# Altium PCB PCB2.PcbDoc (continued)
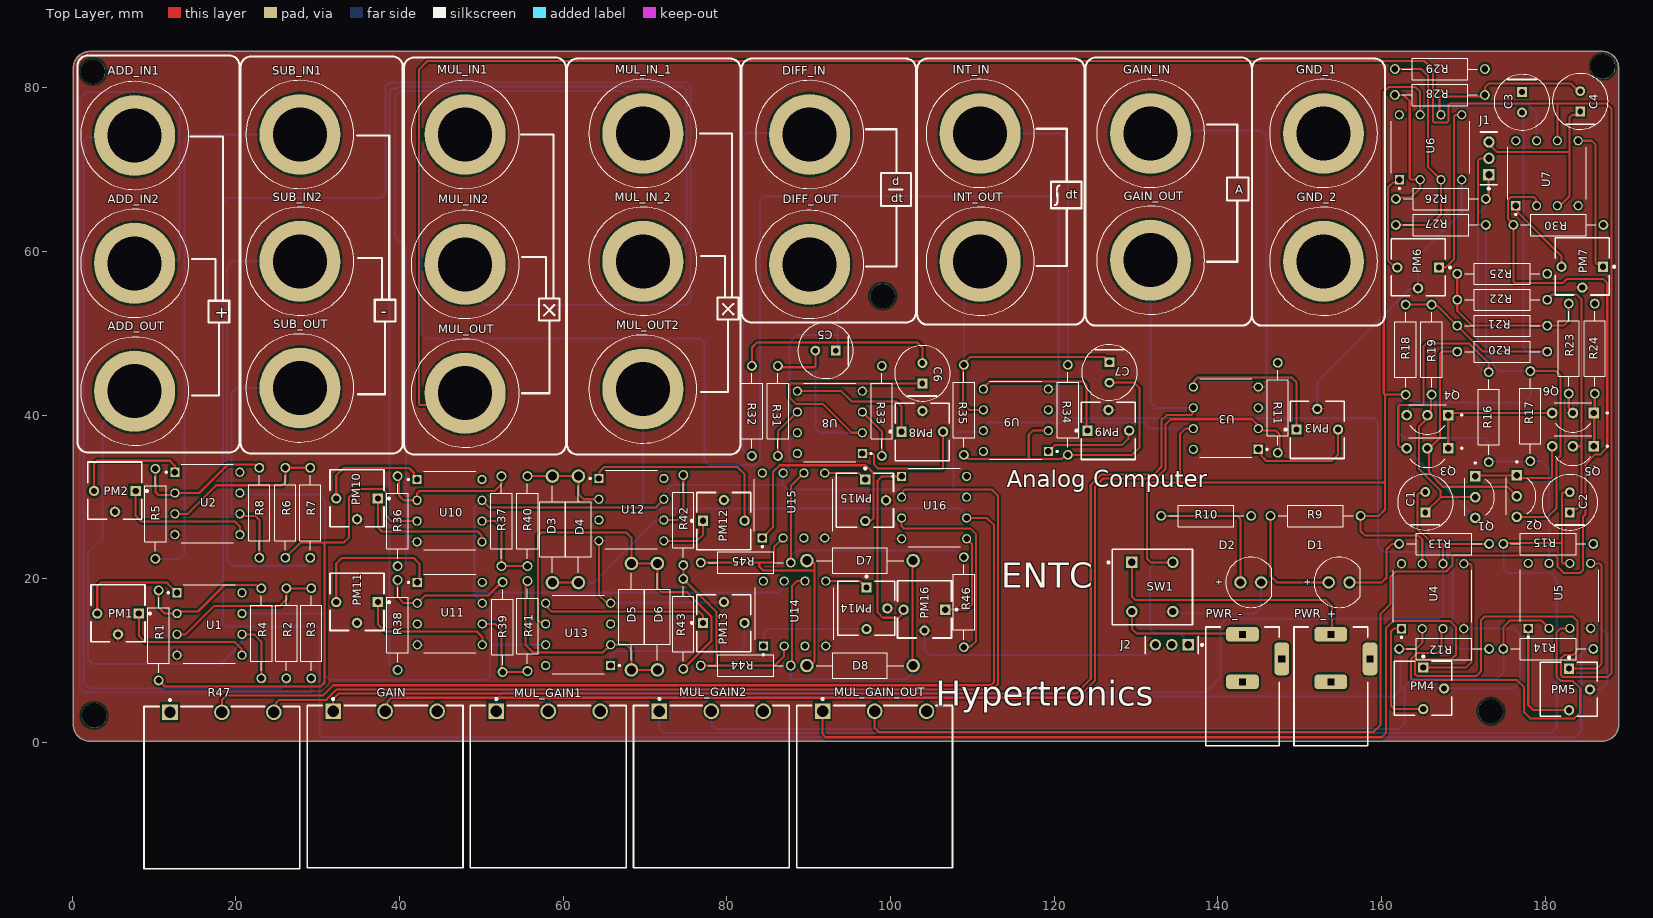
[diagram p0: Top Layer view]
## Part data (continued)
SW1: library part CMP-10035-000009-1, "SWITCH PUSH DPST 0.1A 32V", Current Rating=100mA, Max Operating Temperature=85°C, Min Operating Temperature=-40°C, Voltage Rating (DC)=32V, Electrical Life=100000Cycles, Mount="Through Hole", Packaging=Bulk, RoHS Compliant=Yes, Series=PVA, Switch Function=Off-On, Termination="PC Pin", Throw Configuration=DPST
U1 U2 U3 U4 U5 U6 U7 U8 U9 U10 U11 U12 U13 U14 U15 U16: "Single, 44-V, 1-MHz operational amplifier", Package="PDIP-8 Texas", Check_prices=https://www.snapeda.com/parts/LM741CN/NOPB/Texas+Instruments/view-part/?ref=eda, MF="Texas Instruments", MP=LM741CN/NOPB, SnapEDA_Link=https://www.snapeda.com/parts/LM741CN/NOPB/Texas+Instruments/view-part/?ref=snap

## Free pads (board coordinates)
  round 3 hole 3 unplated: 4(2.522,81.975) 4(2.667,3.302) 4(99.042,54.543) 4(173.355,3.81) 4(187.053,82.61)

## Nets (pads, with @x,y where several pads share a name; then routed paths per layer and width w, separated by ;. In a path a pad name is that pad's centre, name@x,y a point inside that pad or via, vN(x,y) a via of type N, cw(c..) or ccw(c..) an arc to the next point about the centre after c; other vN are vias at no path point)
+12: J2.1 R9.1 R16.2 R17.2 R18.2 SW1.2 U1.7 U2.7 U3.7 U4.7 U5.7 U6.7 U7.7 U8.7 U9.7 U10.7 U11.7 U12.7 U13.7 U14.7 U15.7 U16.7 | length 437.7
  Top Layer w0.254: U10.7 50.96,28.702 71.28,28.702 U12.7 ; SW1.2 131.795,22.002 131.318,22.479 131.318,31.75 135.382,31.75 ; U3.7 136.017,38.354 135.382,37.719 135.382,31.75 ; R18.2 160.419,42.506 ; U6.7 164.719,79.502 164.119,80.102 162.038,80.102 160.892,80.102 160.27,79.48 160.27,42.655 160.419,42.506 ; U4.7 164.973,24.809 164.509,25.273 157.988,25.273 157.431,25.83 R9.1 159.639,27.686 160.419,28.466 160.419,31.75 ; 135.382,31.75 160.419,31.75 ; 160.419,31.75 160.419,42.506
  Bottom Layer w0.254: U2.7 20.648,30.312 21.063,30.312 21.067,30.309 30.27,30.309 30.905,29.674 30.905,15.748 ; U1.7 30.905,15.748 ; U10.7 49.309,28.829 49.274,28.829 49.125,28.68 49.125,18.288 ; U11.7 49.342,17.78 49.274,17.78 49.125,17.929 49.125,18.288 ; U11.7@50.171,16.951 51.05,16.072 51.05,11.938 ; U13.7 51.05,11.938 ; U12.7 72.298,29.72 72.298,30.515 73.232,31.449 86.844,31.449 ; U14.7 86.914,19.637 86.914,18.969 86.233,18.288 49.125,18.288 ; 87.249,31.067 87.398,30.918 107.684,30.918 ; 87.249,31.068 86.868,31.449 U15.7 87.667,33.725 87.667,36.9 U8.7 ; U16.7 109.286,30.033 108.401,30.918 107.684,30.918 ; SW1.2 132.365,22.002 131.69,21.327 131.69,13.852 132.199,13.343 135.374,13.343 135.862,12.855 135.862,12.442 J2.1 ; U3.7 131.703,38.354 130.951,39.106 112.004,39.106 111.514,38.616 111.514,38.268 111.207,37.961 108.327,37.961 107.684,37.319 107.684,30.918 ; R18.2 162.941,42.297 162.038,41.394 162.038,37.86 162.687,37.211 172.466,37.211 173.101,36.576 R16.2 ; U6.7 164.88,76.869 164.88,77.377 165.466,77.963 177.987,77.963 178.943,77.007 U7.7 ; R16.2@173.267,34.251 173.355,34.163 173.507,34.315 178.118,34.315 R17.2 179.617,34.378 180.467,33.528 U5.7 ; 30.905,15.748 30.905,8.211 31.496,7.62 50.546,7.62 51.05,8.124 51.05,11.938
-12: D2.2 J2.3 PM1.2 PM2.2 PM3.2 PM4.2 PM5.2 PM6.2 PM7.2 PM8.2 PM9.2 PM10.2 PM11.2 PM12.2 PM13.2 PM14.2 PM15.2 PM16.2 SW1.2' U1.4 U2.4 U3.4 U4.4 U5.4 U6.4 U7.4 U8.4 U9.4 U10.4 U11.4 U12.4 U13.4 U14.4 U15.4 U16.4 | length 137.6
  Top Layer w0.254: PM1.2@5.334,13.208 PM1.2 ; U12.4 64.356,18.001 65.171,17.186 65.618,17.186 U13.4
  Bottom Layer w0.254: U13.4 65.849,17.081 79.566,17.081 PM13.2 ; PM16.2 104.14,11.303 104.779,10.664 131.441,10.664 132.034,11.257 132.034,11.298 132.366,11.631 J2.3 ; SW1.2' 134.712,15.783 135.18,15.783 135.215,15.748 144.526,15.748 145.288,16.51 D2.2 ; PM3.2 152.146,44.098 163.459,55.411 164.377,55.411 PM6.2 164.465,59.483 169.799,64.817 U6.4 ; PM4.2 176.149,6.604 176.911,7.366 176.911,13.208 176.215,13.904 U4.4 ; PM5.2 186.69,6.477 187.579,7.366 187.579,13.209 186.851,13.937 U5.4
GND: C3.1 D1.2 GND_1.1 GND_2.1 J2.2 PWR_+.2 PWR_+.3 PWR_-.2 PWR_-.3 R1.1 R6.1 R10.1 R11.1 R13.1 R15.1 R24.1 R25.1 R29.1 R30.1 R33.1 U4.3 U5.3 U9.3 U10.3 U11.3 U12.3 U13.3 U14.3 U15.3 | length 121.4
  Top Layer w0.254: R1.1 11.268,6.854 30.349,6.854 30.817,7.322 30.817,24.28 30.668,24.428 ; R6.1 27.896,24.428 30.668,24.428 ; U10.3 38.989,27.051 38.344,27.696 38.344,30.593 37.949,30.988 34.798,30.988 33.792,29.982 33.792,25.029 33.191,24.428 30.668,24.428 ; D1.2 160.021,19.558 160.603,20.14 160.603,23.57 161.29,24.257 R13.1 ; U4.3 167.345,13.736 167.345,11.389 166.878,10.922 164.371,10.922 163.586,10.137 163.586,7.764 163.735,7.615 176.535,7.615 177.419,6.731 177.419,3.683 178.171,2.931 183.563,2.931 184.277,3.645 184.277,6.604 183.378,7.503 181.922,7.503 181.401,8.024 181.401,13.451 181.887,13.937 U5.3
NetC1_1: C1.1 Q1.2 Q4.2 R19.1 | length 21.1
  Top Layer w0.254: C1.1 167.219,29.972 ; R19.1 166.018,42.408 166.018,40.676 165.608,40.265 165.608,39.722 165.324,39.439 165.324,39.34 164.592,38.608 164.592,36.11 ccw(c165.608,35.941) 164.592,35.772 164.592,33.401 167.219,30.774 167.219,29.972 ; Q1.2 167.219,29.972
NetC1_2: C1.2 MUL_GAIN1.1 R13.2 U4.6 | length 148.7
  Top Layer w0.254: C1.2 165.232,30.485 164.597,30.485 164.373,30.261 164.373,26.127 166.243,24.257 167.513,24.257 ; U4.6 167.513,24.257 ; R13.2 167.513,24.257
  Bottom Layer w0.254: MUL_GAIN1.1 51.816,5.31 52.602,6.096 138.43,6.096 139.827,7.493 140.335,8.001 140.335,14.478 140.97,15.113 167.005,15.113 167.513,15.621 U4.6
NetC2_1: C2.1 Q5.2 R22.1 | length 32.6
  Top Layer w0.254: R22.1 180.252,54.174 180.805,54.726 183.846,54.726 184.114,54.458 184.12,54.458 184.418,54.16 184.418,40.284 cw(c183.388,40.259) 184.418,40.259 184.418,36.195 ; C2.1 183.422,28.502 183.823,28.502 184.418,29.097 184.418,36.195 ; Q5.2 184.418,36.195
NetC2_2: C2.2 MUL_GAIN2.1 R15.2 U5.6 | length 158.2
  Top Layer w0.254: R15.2 175.006,24.384 182.026,24.384 ; U5.6 182.175,21.877 182.026,22.026 182.026,24.384 ; C2.2 182.958,30.538 182.176,30.538 182.026,30.388 182.026,24.384
  Bottom Layer w0.254: MUL_GAIN2.1 71.755,1.651 72.263,1.143 180.699,1.143 181.413,1.857 181.413,19.987 180.699,20.701 175.387,20.701 174.879,21.209 R15.2
NetC3_2: C3.2 R18.1 R19.2 R20.2 R21.2 | length 51.9
  Top Layer w0.254: R18.1 R19.2 166.277,53.345 166.834,53.345 R21.2 172.427,47.752 R20.2
  Bottom Layer w0.254: C3.2 177.346,76.801 177.346,76.363 177.349,76.36 177.349,48.203 178.077,47.475 179.719,47.475 179.996,47.752 R20.2
NetC4_2: C4.2 R28.2 U6.6 | length 21
  Top Layer w0.254: U6.6 167.091,76.876 167.091,77.267 167.063,77.295 167.063,78.777 167.212,78.925 172.18,78.925 172.376,79.121 R28.2 172.632,80.049 173.101,80.518 183.134,80.518 184.063,79.589 C4.2
NetC5_2: C5.2 C6.1 R31.1 U8.2 | length 50.6
  Top Layer w0.254: R31.1 86.399,45.847 90.656,45.847 90.805,45.996 C5.2 ; U8.2 95.25,37.846 91.764,41.332 88.462,41.332 87.667,42.127 87.667,43.723 87.816,43.872 99.779,43.872 99.796,43.855 C6.1
  Bottom Layer w0.254: C5.2 90.805,38.354 91.313,37.846 U8.2
NetC6_2: C6.2 R32.2 | length 25.5
  Top Layer w0.254: R32.2 83.058,48.26 83.658,48.86 103.286,48.86 103.886,48.26 C6.2
NetC7_2: C7.2 R34.2 R35.1 U9.2 | length 39
  Top Layer w0.254: R35.1 109.062,35.14 109.588,34.614 116.88,34.614 120.884,34.614 121.41,35.14 121.581,35.15 129.518,35.15 129.667,35.299 129.667,35.306 130.432,36.071 130.432,43.304 129.774,43.962 C7.2 ; 116.88,34.711 116.88,37.6 117.38,38.1 U9.2
NetD1_1: D1.1 R9.2 | length 14.8
  Top Layer w0.254: R9.2 146.431,20.32 147.193,19.558 D1.1
NetD2_1: D2.1 R10.2 | length 17.6
  Top Layer w0.254: R10.2 142.367,27.686 142.748,27.305 D2.1
NetD3_1: D3.1 D4.2 R42.1 U12.6 | length 24.2
  Top Layer w0.254: D3.1 D4.2 ; U12.6 73.914,27.178 74.676,27.94 R42.1
  Bottom Layer w0.254: D4.2 63.731,19.535 71.374,27.178 U12.6
NetD3_2: D3.2 D4.1 R40.2 U12.2 | length 11.2
  Top Layer w0.254: R40.2 55.634,32.543 58.674,32.543 61.841,32.543 D4.1 61.849,30.353 62.484,29.718 U12.2
NetD5_1: D5.1 D6.2 R43.1 U13.6 | length 48.5
  Top Layer w0.254: U13.6 57.678,14.646 57.236,14.646 56.9,14.982 56.9,25.277 57.277,25.654 67.691,25.654 68.326,25.019 D5.1 D6.2 71.501,18.923 72.05,18.374 75.109,18.374 78.095,15.388 78.095,12.397 R43.1
NetD5_2: D5.2 D6.1 R41.2 U13.2 | length 27.5
  Top Layer w0.254: R41.2 55.445,19.543 55.445,19.175 55.372,19.102 55.372,11.938 56.318,10.992 64.84,10.992 U13.2 67.691,11.938 68.326,11.303 D5.2 D6.1
NetD7_1: D7.1 D8.2 R45.1 U15.2 | length 35.4
  Top Layer w0.254: R45.1 83.947,21.971 ; U15.2 85.895,24.013 85.876,24.013 85.728,23.864 85.728,21.971 83.947,21.971 ; D8.2@89.662,9.398 89.929,9.665 90.466,9.665 90.678,9.877 90.678,20.989 ; 83.947,21.971 83.947,21.505 84.463,20.989 90.678,20.989 ; D7.1@89.718,22.019 D7.1@90.503,22.019 ; D7.1@89.718,22.019 89.512,22.225 D7.1@89.718,22.019 ; D7.1@89.718,22.019 D7.1@90.503,22.019 ; D7.1@90.503,22.019 90.678,21.844 90.678,20.989
NetD7_2: D7.2 D8.1 R44.2 U14.6 | length 42.2
  Top Layer w0.254: R44.2 87.941,9.543 87.941,19.107 88.552,19.718 U14.6 ; D7.2@102.512,22.225 102.662,22.075 D8.1@102.662,9.398
  Bottom Layer w0.254: R44.2 87.796,7.896 87.945,7.747 101.981,7.747 102.6,8.366 102.6,9.336 D8.1@102.662,9.398
NetGAIN_2: GAIN.2 R11.2 U3.2 | length 145
  Top Layer w0.254: GAIN.2 38.47,4.053 38.47,4.942 38.989,5.461 122.871,5.461 124.968,7.558 124.968,31.242 125.984,32.258 132.439,32.258 133.604,33.423 133.604,38.862 134.239,39.497 144.145,39.497 144.772,38.87 144.772,38.522 145.108,38.186 145.462,38.186 145.527,38.121 147.063,38.121 147.553,37.631 147.553,35.883 147.32,35.65 R11.2
NetMUL_GAIN1_2: MUL_GAIN1.2 R12.2 U4.2 | length 115.9
  Top Layer w0.254: R12.2 164.211,11.43 164.973,12.192 U4.2
  Bottom Layer w0.254: MUL_GAIN1.2 MUL_GAIN1.2@58.166,4.191 ; MUL_GAIN1.2@58.293,4.191 58.293,5.207 58.674,5.588 161.544,5.588 162.306,6.35 162.306,7.809 162.305,11.265 R12.2
NetMUL_GAIN2_2: MUL_GAIN2.2 R14.2 U5.2 | length 116.1
  Top Layer w0.254: R14.2 174.879,14.097 175.665,14.883 179.546,14.883 180.467,13.962 U5.2
  Bottom Layer w0.254: MUL_GAIN2.2 78.105,2.159 78.613,1.651 162.181,1.651 162.813,2.284 162.813,6.857 163.703,7.747 174.117,7.747 174.879,8.509 R14.2
NetMUL_GAIN_OUT_2: MUL_GAIN_OUT.2 R30.2 U7.2 | length 173.4
  Top Layer w0.254: MUL_GAIN_OUT.2 98.044,1.778 98.552,1.27 159.004,1.27 159.878,2.144 159.878,15.733 161.111,16.966 161.111,20.268 161.715,20.872 167.879,20.872 168.656,21.649 168.656,22.711 168.805,22.86 181.207,22.86 181.518,22.549 181.518,21.45 182.267,20.701 184.277,20.701 184.601,21.025 184.601,27.553 184.926,27.878 184.926,34.017 186.074,35.165 186.735,35.165 186.958,35.388 186.958,35.447 187.583,36.072 187.583,56.13 187.071,56.642 182.656,56.642 182.148,56.134 176.259,56.134 176.11,56.283 R30.2 176.11,63.327 175.457,63.98 175.457,66.311 175.821,66.675 178.562,66.675 178.881,66.356 178.881,65.65 U7.2
NetPM1_1: PM1.1 U1.5 | length 16.7
  Top Layer w0.254: PM1.1 8.128,13.048 8.914,12.262 19.869,12.262 20.684,11.447 20.684,10.718 U1.5
NetPM1_3: PM1.3 U1.1 | length 13.8
  Top Layer w0.254: PM1.3 3.048,19.05 3.56,19.562 11.535,19.562 11.684,19.413 11.684,19.398 U1.1
NetPM2_1: PM2.1 U2.5 | length 17.3
  Top Layer w0.254: PM2.1 7.747,27.686 8.439,26.994 19.869,26.994 20.32,26.543 20.331,26.543 20.48,26.394 U2.5
NetPM2_3: PM2.3 U2.1 | length 14.4
  Top Layer w0.254: PM2.3 2.667,34.036 3.052,34.421 11.934,34.421 12.538,33.817 12.538,33.022 U2.1
NetPM3_1: PM3.1 U3.5 | length 19.5
  Top Layer w0.254: U3.5 137.1,43.534 137.1,44.163 137.514,44.577 149.031,44.577 149.606,44.002 PM3.1
NetPM3_3: PM3.3 U3.1 | length 13.9
  Top Layer w0.254: U3.1 145.31,35.444 145.31,35.024 145.755,34.579 145.755,34.562 145.904,34.413 153.92,34.413 154.686,35.179 PM3.3
NetPM4_1: PM4.1 U4.5 | length 19
  Top Layer w0.254: PM4.1 170.307,9.144 170.999,9.836 170.999,21.66 170.849,21.81 170.087,21.81 U4.5
NetPM4_3: PM4.3 U4.1 | length 14.6
  Top Layer w0.254: U4.1 161.478,13.904 161.159,13.585 161.159,4.449 161.544,4.064 PM4.3
NetPM5_1: PM5.1 U5.5 | length 17.7
  Top Layer w0.254: PM5.1 186.309,9.017 186.86,9.568 186.86,21.674 186.657,21.877 U5.5
NetPM5_3: PM5.3 U5.1 | length 14.6
  Top Layer w0.254: U5.1 177.927,4.572 178.562,3.937 PM5.3
NetPM6_1: PM6.1 U6.5 | length 20.7
  Top Layer w0.254: PM6.1 167.037,58.071 167.862,58.071 168.853,59.062 168.853,76.509 169.011,76.667 169.758,76.667 U6.5
NetPM6_3: PM6.3 U6.1 | length 12.2
  Top Layer w0.254: PM6.3 161.671,58.039 160.778,58.932 160.778,67.814 161.382,68.418 161.829,68.418 U6.1
NetPM7_1: PM7.1 U7.5 | length 17.9
  Top Layer w0.254: U7.5 185.679,73.528 186.129,73.078 186.129,58.64 186.278,58.492 186.583,58.492 PM7.1@187.071,58.004
NetPM7_3: PM7.3 U7.1 | length 9.9
  Top Layer w0.254: U7.1 176.636,65.355 176.636,64.791 181.991,59.436 PM7.3@181.991,58.004
NetPM8_1: PM8.1 U8.5 | length 16.6
  Top Layer w0.254: U8.5 93.98,42.926 95.25,41.656 100.711,41.656 101.346,41.021 PM8.1
NetPM8_3: PM8.3 U8.1 | length 15.8
  Top Layer w0.254: U8.1 97.79,35.306 97.952,35.144 97.952,34.001 98.495,33.458 102.069,33.458 102.126,33.401 106.277,33.401 106.426,33.55 PM8.3
NetPM9_1: PM9.1 U9.5 | length 18.9
  Top Layer w0.254: U9.5 111.346,43.321 112.151,44.126 123.492,44.126 123.952,43.666 123.952,38.227 PM9.1
NetPM9_3: PM9.3 U9.1 | length 11.4
  Top Layer w0.254: U9.1 120.048,36.322 128.27,36.322 129.054,37.106 129.054,37.995 PM9.3
NetPM10_1: PM10.1 U10.5 | length 17.4
  Top Layer w0.254: PM10.1 37.338,26.289 37.846,25.781 49.53,25.781 50.021,25.29 50.021,24.561 U10.5
NetPM10_3: PM10.3 U10.1 | length 13.9
  Top Layer w0.254: PM10.3 32.258,32.639 33.151,33.532 41.144,33.532 41.758,32.918 41.758,32.504 U10.1
NetPM11_1: PM11.1 U11.5 | length 17
  Top Layer w0.254: PM11.1 37.338,14.478 38.284,13.532 49.46,13.532 50.104,12.888 U11.5
NetPM11_3: PM11.3 U11.1 | length 17.8
  Top Layer w0.254: PM11.3 32.258,21.844 32.946,22.532 41.73,22.532 42.418,21.844 42.418,19.812 U11.1
NetPM12_1: PM12.1 U12.5 | length 6.8
  Top Layer w0.254: U12.5 76.327,24.638 77.089,25.4 PM12.1
NetPM12_3: PM12.3 U12.1 | length 24.9
  Top Layer w0.254: U12.1 64.424,32.326 64.424,33.055 65.028,33.659 81.276,33.659 82.169,32.766 PM12.3
NetPM13_1: PM13.1 U13.5 | length 20.9
  Top Layer w0.254: U13.5 57.846,16.781 58.103,16.524 58.103,16.446 58.572,15.977 76.606,15.977 77.089,15.494 PM13.1
NetPM13_3: PM13.3 U13.1 | length 20.9
  Bottom Layer w0.254: U13.1 65.786,10.6 66.362,11.176 81.534,11.176 82.169,11.811 PM13.3
NetPM14_1: PM14.1 U14.5 | length 5.3
  Top Layer w0.254: U14.5 96.268,19.718 PM14.1
NetPM14_3: PM14.3 U14.1 | length 14.3
  Bottom Layer w0.254: U14.1 84.455,13.208 85.09,13.843 PM14.3
NetPM15_1: PM15.1 U15.5 | length 5.3
  Top Layer w0.254: U15.5 96.106,32.926 PM15.1
NetPM15_3: PM15.3 U15.1 | length 28.3
  Top Layer w0.254: U15.1 85.621,26.279 85.621,33.043 86.45,33.872 96.949,33.872 97.907,32.914 97.907,27.422 97.676,27.191 97.041,27.191 PM15.3
NetPM16_1: PM16.1 U16.5 | length 11.8
  Top Layer w0.254: PM16.1 109.302,16.221 109.947,16.866 109.947,24.215 109.286,24.876 U16.5
NetPM16_3: PM16.3 U16.1 | length 23.3
  Top Layer w0.254: U16.1 98.933,32.512 98.415,31.994 98.415,15.885 99.06,15.24 100.995,15.24 101.33,15.576 101.33,15.682 101.6,15.951 PM16.3
NetPWR_+_1: PWR_+.1 SW1.1 | length 32.4
  Top Layer w0.254: SW1.1 129.493,17.827 129.938,17.382 153.179,17.382 153.924,16.637 PWR_+.1@153.924,13.335
NetPWR_-_1: PWR_-.1 SW1.1' | length 16.3
  Top Layer w0.254: SW1.1' 129.493,13.89 130.09,13.293 142.833,13.293 PWR_-.1@143.256,13.716
NetQ1_1: Q1.1 Q2.1 Q5.3 | length 13.4
  Top Layer w0.254: Q1.1 171.577,32.639 Q2.1 176.846,32.323 180.699,32.323 180.848,32.472 Q5.3
NetQ2_2: Q2.2 Q3.2 R20.1 | length 29.5
  Top Layer w0.254: R20.1 167.386,47.752 167.118,47.484 167.118,37.197 165.862,35.941 Q3.2 165.808,35.741 165.808,32.947 167.513,31.242 175.387,31.242 Q2.2
NetQ3_1: Q3.1 Q4.1 Q6.3 | length 16.9
  Top Layer w0.254: Q3.1 Q4.1 168.402,40.259 Q6.3
NetQ5_1: Q5.1 Q6.1 R24.2 | length 6.6
  Top Layer w0.254: Q5.1 185.992,36.258 Q6.1@185.992,40.322 ; Q6.1 Q6.1@185.992,40.322 ; R24.2 186.055,40.386 Q6.1@185.992,40.322
NetQ6_2: Q6.2 R23.1 | length 2.6
  Top Layer w0.254: R23.1 182.88,40.93 183.388,40.422 Q6.2
NetR1_2: R1.2 R4.1 U1.2 | length 17
  Top Layer w0.254: R1.2 10.541,16.51 11.303,15.748 U1.2 12.794,15.781 12.573,16.002 15.367,16.002 18.599,19.234 22.459,19.234 22.858,18.835 R4.1
NetR2_2: R2.2 R3.2 U1.3 | length 19.5
  Top Layer w0.254: U1.3 13.843,13.208 17.329,16.694 25.371,16.694 26.162,17.485 R2.2 R3.2
NetR5_2: R5.2 R8.1 U2.2 | length 17.4
  Top Layer w0.254: R5.2 10.16,30.607 10.541,30.226 12.049,30.226 12.303,30.48 U2.2 15.494,30.48 18.98,33.966 22.238,33.966 22.637,33.567 R8.1
NetR6_2: R6.2 R7.2 U2.3 | length 19.9
  Top Layer w0.254: U2.3 14.097,27.94 17.583,31.426 25.584,31.426 26.035,31.877 R6.2 R7.2
NetR21_1: R21.1 R22.2 R23.2 R25.2 | length 21.2
  Top Layer w0.254: R25.2 R22.2 169.252,52.744 171.069,50.927 R21.1 182.245,50.927 182.88,51.562 R23.2
NetR26_2: R26.2 R28.1 U6.2 | length 17.5
  Top Layer w0.254: R28.1 162.687,79.121 163.449,78.359 163.449,68.917 163.598,68.768 U6.2 ; R26.2 161.94,66.602 163.63,66.602 164.719,67.691 U6.2@164.719,68.847
NetR27_2: R27.2 R29.2 U6.3 | length 28
  Top Layer w0.254: R29.2 164.846,82.296 165.665,81.477 165.665,70.362 U6.3 167.259,64.516 165.989,63.246 R27.2
NetR33_2: R33.2 U8.3 | length 6.4
  Top Layer w0.254: U8.3 98.933,38.006 R33.2
NetR36_2: R36.2 R37.1 U10.2 | length 17.5
  Top Layer w0.254: R36.2 39.932,32.37 39.932,30.172 40.513,29.591 U10.2 42.131,30.447 42.385,30.701 51.601,30.701 52.451,31.551 R37.1
NetR37_2: R37.2 R40.1 U10.6 | length 10.6
  Top Layer w0.254: U10.6 51.689,27.051 52.451,26.289 R37.2 R40.1
NetR38_2: R38.2 R39.1 U11.2 | length 16.6
  Top Layer w0.254: R38.2 39.751,17.78 40.513,17.018 U11.2 43.11,17.964 50.857,17.964 52.27,19.377 52.27,19.797 R39.1@52.451,19.978
NetR39_2: R39.2 R41.1 U11.6 | length 10.5
  Top Layer w0.254: U11.6 51.689,14.478 52.451,13.716 52.451,8.978 R39.2@52.47,8.959 ; R39.2 55.499,8.597 R41.1
NetR42_2: R42.2 R43.2 R44.1 U14.2 | length 25.9
  Top Layer w0.254: R42.2 R43.2 78.74,15.914 78.74,9.398 ; R44.1 78.74,9.398 ; U14.2 86.995,10.541 85.852,9.398 78.74,9.398
NetR45_2: R45.2 R46.2 U15.6 | length 34.2
  Top Layer w0.254: R45.2 87.814,21.989 87.814,31.332 U15.6
  Bottom Layer w0.254: R45.2 87.796,22.803 88.424,23.431 108.014,23.431 108.8,22.645 R46.2
NetR46_1: R46.1 U16.3 | length 25.4
  Top Layer w0.254: U16.3 101.346,26.416 101.599,26.163 109.727,26.163 110.455,25.435 110.455,12.341 110.306,12.192 110.236,12.192 109.767,11.723 109.044,11.723 R46.1
NetR47_3: R47.3 U16.2 | length 126.2
  Top Layer w0.254: R47.3 24.881,3.926 24.881,4.815 25.273,5.207 31.053,5.207 32.323,6.477 112.478,6.477 113.122,7.121 113.122,30.134 112.338,30.918 101.784,30.918 101.507,30.641 101.507,30.133 U16.2
V1: J1.1 Q1.3 Q3.3 R16.1 R26.1 | length 63.7
  Top Layer w0.254: Q3.3 162.911,36.098 162.276,36.098 162.04,36.334 162.04,39.933 162.039,39.965 cw(c163.068,40.005) 162.04,40.07 162.04,41.08 162.114,41.155 162.189,41.229 164.986,41.229 165.135,41.378 165.135,48.411 165.457,48.733 170.723,48.733 173.101,46.355 R16.1 ; R26.1 172.759,66.677 173.101,67.019 J1.1@173.101,69.152
  Bottom Layer w0.254: Q3.3 163.068,35.877 171.45,27.495 Q1.3 ; R26.1 172.759,65.571 171.958,64.77 171.927,64.77 171.778,64.621 171.778,46.027 172.388,45.417 172.935,45.417 R16.1
V2: J1.2 Q2.3 Q4.3 R17.1 R27.1 | length 77.7
  Top Layer w0.254: R27.1 172.712,63.293 171.927,63.293 171.778,63.442 171.778,71.067 172.085,71.374 J1.2 ; Q2.3 180.324,27.559 181.356,28.591 181.356,34.544 181.878,35.066 181.878,44.817 181.317,45.378 R17.1
  Bottom Layer w0.254: Q4.3 163.225,40.162 163.225,40.797 163.953,41.525 177.415,41.525 178.181,42.291 R17.1 174.332,45.378 174.082,45.628 174.082,45.657 173.507,46.232 173.478,46.232 172.759,46.951 R27.1
Vin_1: ADD_IN1.1 R2.1 | length 98.7
  Bottom Layer w0.254: ADD_IN1.1 7.366,73.914 1.778,73.914 1.397,73.533 1.397,7.239 2.036,6.6 25.65,6.6 26.084,7.034 26.084,7.757 R2.1
Vin_2: ADD_IN2.1 R3.1 | length 140.7
  Bottom Layer w0.254: ADD_IN2.1 7.833,58.334 8.403,58.903 12.802,58.903 13.081,59.182 13.081,78.994 12.576,79.499 1.775,79.499 0.889,78.613 0.889,6.604 1.401,6.092 29.061,6.092 29.21,6.241 R3.1
Vin_3: R5.1 SUB_IN1.1 | length 68.7
  Bottom Layer w0.254: R5.1 13.059,22.44 13.208,22.589 13.208,22.606 13.738,23.136 13.738,73.63 14.402,74.295 SUB_IN1.1
Vin_4: R7.1 SUB_IN2.1 | length 56.2
  Bottom Layer w0.254: SUB_IN2.1 19.558,58.801 18.923,58.166 18.923,22.225 19.562,21.586 28.571,21.586 28.902,21.917 28.902,22.386 R7.1
vin_5: GAIN_IN.1 U3.3 | length 48.7
  Bottom Layer w0.254: GAIN_IN.1 132.153,74.803 145.161,74.803 145.923,74.041 145.923,41.043 145.774,40.894 U3.3
Vin_6: MUL_IN1.1 R12.1 | length 258.8
  Bottom Layer w0.254: MUL_IN1.1 46.16,72.449 43.231,72.449 42.675,71.893 42.675,49.901 43.192,49.384 76.727,49.384 77.264,48.847 77.264,34.369 77.761,33.872 83.402,33.872 84.048,34.518 84.048,66.141 84.648,66.741 119.433,66.741 120.523,65.651 120.523,40.259 121.168,39.614 159.121,39.614 159.589,39.147 159.589,23.926 160.239,23.276 162.546,23.276 162.561,23.291 167.927,23.291 168.656,22.562 168.656,12.192 169.418,11.43 R12.1
Vin_7: MUL_IN2.1 R14.1 | length 371
  Bottom Layer w0.254: MUL_IN2.1 48.006,55.849 50.385,53.47 75.06,53.47 75.562,53.972 75.562,80.196 75.116,80.642 38.776,80.642 38.262,80.128 38.262,67.091 37.698,66.527 18.902,66.527 18.415,66.04 18.415,14.478 18.739,14.154 30.042,14.154 30.191,14.005 30.191,0.924 30.48,0.635 183.642,0.635 184.404,1.397 184.404,10.795 185.039,11.43 R14.1
Vin_8: DIFF_IN.1 R32.1 | length 48.1
  Bottom Layer w0.254: R32.1 82.802,35.013 82.533,35.282 82.447,35.282 81.915,35.814 81.915,73.914 82.489,74.488 89.923,74.488 DIFF_IN.1
Vin_9: INT_IN.1 R34.1 | length 38.5
  Bottom Layer w0.254: INT_IN.1 120.777,74.422 121.666,73.533 R34.1
Vin_10: MUL_IN_2.1 R38.1 | length 133.5
  Bottom Layer w0.254: R38.1 39.495,8.851 39.226,9.12 39.14,9.12 38.77,9.49 38.77,79.542 39.111,79.883 39.668,79.883 39.919,80.134 74.654,80.134 75.054,79.734 75.054,61.211 74.49,60.647 71.569,60.647 MUL_IN_2.1 MUL_IN_2.1@69.088,58.801
Vin_11: MUL_IN_1.1 R36.1 | length 93
  Bottom Layer w0.254: R36.1 39.829,21.629 40.552,21.629 40.767,21.844 40.767,60.452 39.449,61.77 39.449,78.946 40.129,79.626 67.158,79.626 67.527,79.257 67.527,79.228 67.877,78.878 67.877,76.268 MUL_IN_1.1
Vo: C4.1 J1.3 U7.3 | length 23.5
  Top Layer w0.254: J1.3@173.101,73.152 174.117,72.136 182.964,72.136 ; U7.3 181.72,65.588 181.98,65.848 182.053,65.848 182.964,66.759 182.964,72.136 ; C4.1 183.852,76.664 183.283,76.664 183.134,76.515 183.113,76.515 182.964,76.367 182.964,72.136
Vout_ADD: ADD_OUT.1 R4.2 U1.6 | length 63.5
  Top Layer w0.254: U1.6 22.225,13.208 23.114,12.319 R4.2
  Bottom Layer w0.254: ADD_OUT.1 3.683,38.989 3.683,24.892 1.905,23.114 1.905,10.16 2.286,9.779 2.286,9.757 2.435,9.608 18.117,9.608 20.734,12.225 U1.6
Vout_DIFF: C5.1 DIFF_OUT.1 R31.2 U8.6 | length 34
  Top Layer w0.254: R31.2 86.233,38.006 U8.6
  Bottom Layer w0.254: U8.6 88.499,40.5 87.897,40.5 87.667,40.73 87.667,41.481 87.667,48.932 88.519,49.784 93.599,49.784 ; DIFF_OUT.1 90.116,57.259 93.599,53.776 93.599,49.784 ; C5.1 93.599,48.173 93.599,49.784
Vout_GAIN_1: GAIN.1 GAIN_OUT.1 U3.6 | length 161.9
  Top Layer w0.254: GAIN.1 31.877,5.312 32.534,5.969 122.66,5.969 124.46,7.769 124.46,31.452 125.774,32.766 132.207,32.766 133.096,33.655 133.096,39.37 133.731,40.005 136.762,40.005 136.91,40.154 136.91,40.804 U3.6
  Bottom Layer w0.254: GAIN_OUT.1 131.772,41.456 132.334,40.894 U3.6
Vout_INT: C7.1 INT_OUT.1 R35.2 U9.6 | length 39.7
  Top Layer w0.254: U9.6 109.601,40.64 108.839,41.402 108.839,46.013 R35.2 108.966,46.355 109.732,47.121 126.087,47.121 C7.1
  Bottom Layer w0.254: R35.2 108.966,54.213 110.944,56.191 INT_OUT.1
Vout_MUL: MUL_GAIN_OUT.1 MUL_OUT.1 U7.6 | length 421.8
  Top Layer w0.254: MUL_OUT.1 46.553,41.219 42.496,41.219 42.347,41.368 42.347,82.225 43.399,83.277 165.254,83.277 166.297,82.234 166.297,75.911 166.446,75.762 167.986,75.762 168.205,75.981 168.205,77.921 168.354,78.07 181.632,78.07 ; MUL_GAIN_OUT.1 91.694,1.016 92.075,0.635 160.02,0.635 160.528,1.143 160.528,13.97 161.408,14.85 168.322,14.85 169.107,14.065 169.107,10.738 168.519,10.15 164.317,10.15 164.094,9.927 164.094,8.361 164.317,8.138 171.614,8.138 172.159,8.683 172.159,14.933 172.617,15.391 183.364,15.391 183.953,14.802 183.953,11.233 183.388,10.668 182.327,10.668 181.909,10.25 181.909,8.234 182.132,8.011 183.698,8.011 187.662,8.011 188.091,8.44 188.091,77.466 187.487,78.07 181.632,78.07 ; U7.6 181.483,77.921 181.632,78.07
Vout_MUL_1: MUL_OUT2.1 R47.2 U16.6 | length 174.4
  Top Layer w0.254: R47.2 18.288,5.207 18.796,5.715 30.607,5.715 31.877,6.985 112.268,6.985 112.614,7.331 112.614,26.578 111.76,27.432 U16.6
  Bottom Layer w0.254: MUL_OUT2.1 69.723,28.734 69.872,28.585 108.448,28.585 109.029,28.004 109.029,27.926 109.286,27.669 U16.6
Vout_SUB: R8.2 SUB_OUT.1 U2.6 | length 31.6
  Top Layer w0.254: U2.6 20.717,27.94 20.971,27.686 22.352,27.686 22.86,27.178 R8.2
  Bottom Layer w0.254: U2.6 20.478,27.942 19.683,27.942 19.431,28.194 19.431,42.672 20.066,43.307 SUB_OUT.1
pads on no net: GAIN.3 MUL_GAIN1.3 MUL_GAIN2.3 MUL_GAIN_OUT.3 R47.1 U1.8 U2.8 U3.8 U4.8 U5.8 U6.8 U7.8 U8.8 U9.8 U10.8 U11.8 U12.8 U13.8 U14.8 U15.8 U16.8

## Polygon pours and split planes (outlines as drawn)
-12 on Top Layer "-12_L01_P005" (solid, pour order 5): 0.127,2.159 0.127,82.423 cw(c2.159,82.423) 2.159,84.455 186.944,84.455 cw(c186.944,82.423) 188.976,82.423 188.976,2.159 cw(c186.944,2.159) 186.944,0.127 2.159,0.127 cw(c2.159,2.159)
GND on Bottom Layer "GND_L02_P006" (solid, pour order 6): 0.127,2.159 0.127,82.423 cw(c2.159,82.423) 2.159,84.455 186.944,84.455 cw(c186.944,82.423) 188.976,82.423 188.976,2.159 cw(c186.944,2.159) 186.944,0.127 2.159,0.127 cw(c2.159,2.159)

## Silkscreen, mask and mechanical layers (free items; w line width, h text height)
Top Overlay:
  drawing of 138 lines, arcs and shapes, not listed
  text "d" at 100.203,68.072 h1.02
  text "A" at 142.113,67.056 h1.02
  text "dt" at 121.412,66.421 h1.02
  text "dt" at 100.076,66.04 h1.02
  text "-" at 37.719,51.943 h1.52
  text "+" at 17.399,51.816 h1.52
  text "Analog Computer" at 114.173,31.157 h2.03
  text "ENTC" at 113.538,18.923 h3.05
  text "Hypertronics" at 105.549,4.51 h3.05
Bottom Overlay:
  text "Analog Project" at 157.988,49.318 h2.03
  text "Analog Computer" at 159.766,45.889 h2.03
  text "Hypertronics" at 80.518,33.147 h3.05
  text "ENTC" at 125.857,18.796 h3.05
Mechanical 1:
  the board outline again, w0.254
Top Component Outline:
  lines w0.254: 165.354,81.534 165.862,81.026 ; 241.935,-163.576 244.094,-161.417 ; 247.269,-162.687 247.396,-162.56

## Text inside footprints (layer, text, board x,y; h text height)
D1: Top Overlay "+" at 150.495,19.177 h0.8
D2: Top Overlay "+" at 139.7,19.177 h0.8